# KiCad board rev57lp.kicad_pcb
note: AISLER Project ID: QRZWVFGN
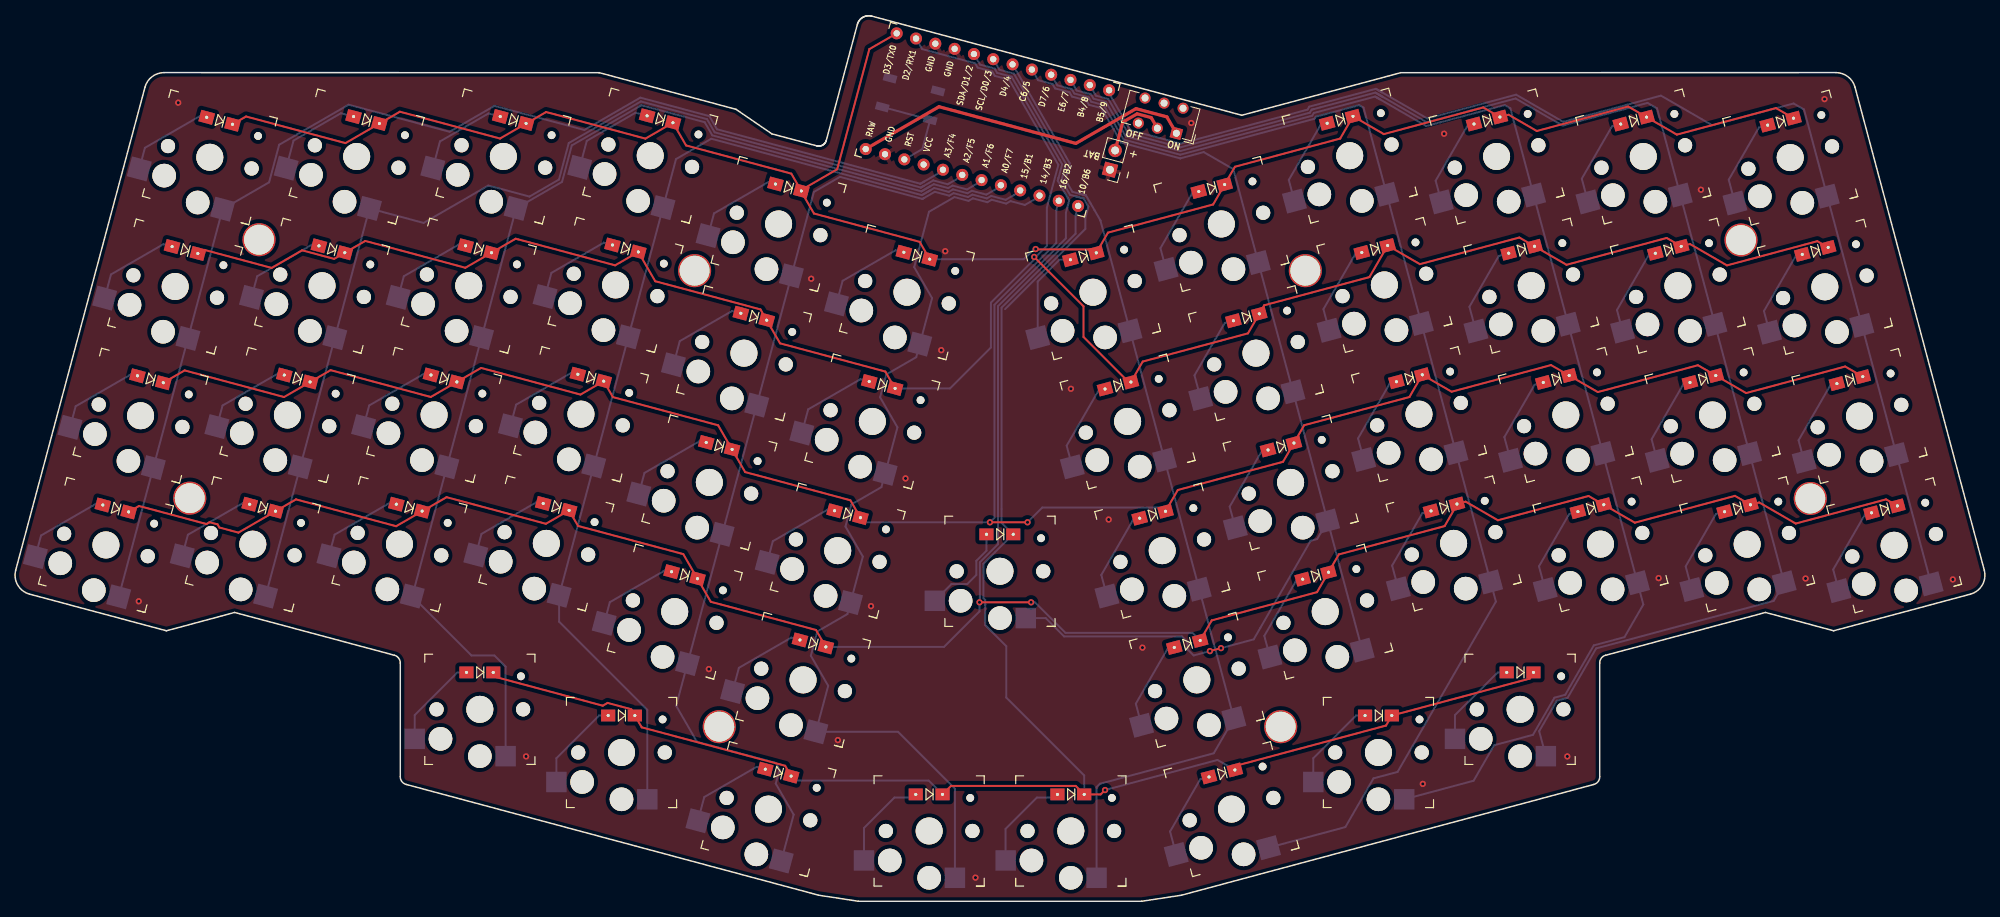
[diagram p0: board, top side]
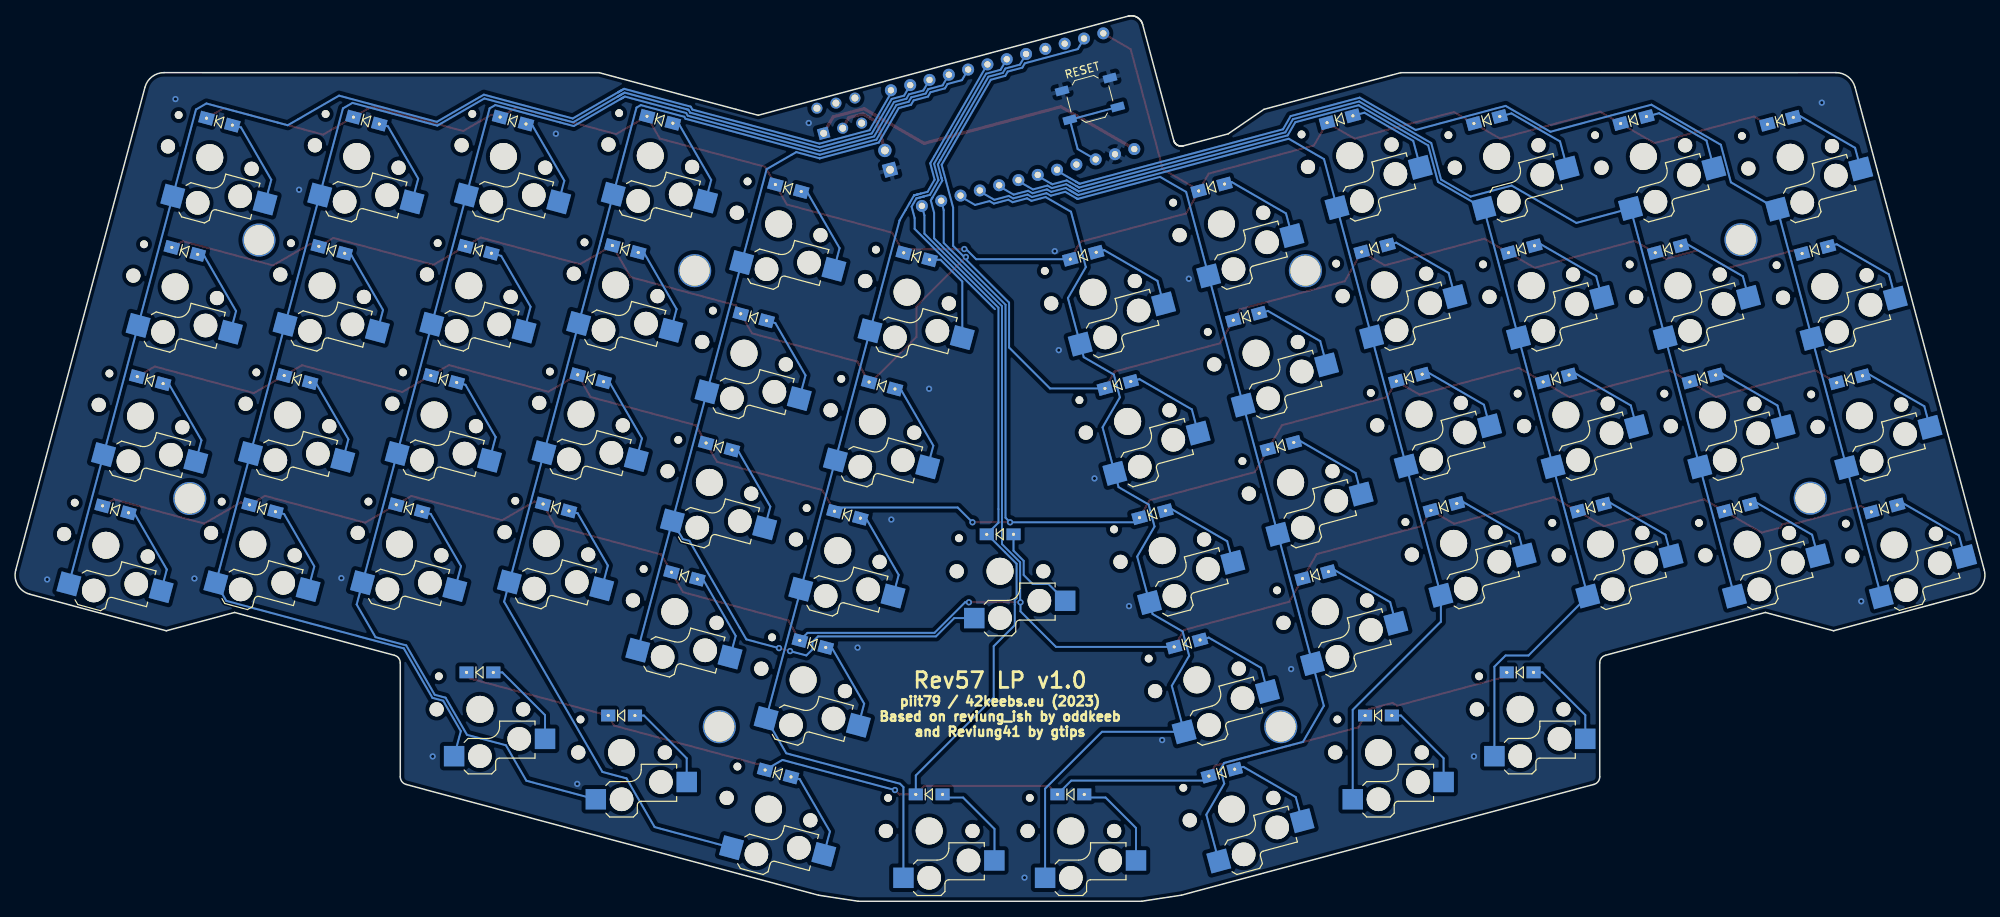
[diagram p1: board, bottom side, seen from below]

Outline 250.12 x 112.52 mm; copper layers: Top, Bottom. Coordinates in mm from the lower left corner of the outline.
Outline path: 0,42.09 16.42,103.44 arc(17.32,104.78) 18.84,105.3 74.13,105.29 91.51,100.63 96.06,97.52 101.77,95.99 101.82,95.98 101.87,95.97 101.92,95.96 101.97,95.96 102.02,95.95 102.06,95.96 102.11,95.96 102.16,95.96 102.21,95.97 102.26,95.98 102.3,95.99 102.35,96.01 102.39,96.03 102.44,96.04 102.48,96.07 102.52,96.09 102.57,96.11 102.61,96.14 102.64,96.17 102.68,96.2 102.72,96.23 102.75,96.27 102.78,96.3 102.81,96.34 102.84,96.38 102.87,96.42 102.9,96.46 102.92,96.51 102.94,96.55 102.96,96.6 102.98,96.65 102.99,96.7 106.93,111.41 106.96,111.49 106.98,111.56 107.01,111.63 107.04,111.7 107.08,111.76 107.11,111.83 107.15,111.89 107.2,111.95 107.24,112 107.29,112.06 107.34,112.11 107.4,112.16 107.45,112.2 107.51,112.25 107.57,112.29 107.63,112.32 107.7,112.36 107.76,112.39 107.83,112.42 107.89,112.44 107.96,112.46 108.03,112.48 108.1,112.5 108.18,112.51 108.25,112.52 108.32,112.52 108.4,112.52 108.47,112.52 108.55,112.52 108.62,112.51 108.7,112.49 108.77,112.47 155.77,99.88 175.99,105.29 231.28,105.3 arc(232.8,104.78) 233.69,103.44 250.12,42.09 arc(249.87,40.19) 248.35,39.02 230.98,34.37 222.31,36.7 202,31.26 arc(201.46,30.9) 201.26,30.29 201.26,15.81 arc(201.05,15.2) 200.52,14.85 148.1,0.77 143.06,0 107.06,0 102.01,0.77 49.6,14.85 arc(49.06,15.2) 48.86,15.81 48.86,30.29 arc(48.65,30.9) 48.12,31.26 27.81,36.7 19.14,34.37 1.77,39.02 arc(0.25,40.19) 0,42.09
Stack: Top 0.035mm / dielectric 1.51mm FR4 er 4.5 / Bottom 0.035mm

## Placement (name value [footprint] x y rotation side)
D_A0  D  [Diode_SOD123_dual_sided]  21.5 82.75 165 bottom
D_A1  D  [Diode_SOD123_dual_sided]  40.16 82.85 165 bottom
D_A2  D  [Diode_SOD123_dual_sided]  58.8 82.85 165 bottom
D_A3  D  [Diode_SOD123_dual_sided]  77.46 82.95 165 bottom
D_A4  D  [Diode_SOD123_dual_sided]  93.77 74.28 165 bottom
D_A5  D  [Diode_SOD123_dual_sided]  110.08 65.6 165 bottom
D_A6  D  [Diode_SOD123_dual_sided]  25.9 99.17 165 bottom
D_A7  D  [Diode_SOD123_dual_sided]  44.56 99.27 165 bottom
D_A8  D  [Diode_SOD123_dual_sided]  63.2 99.27 165 bottom
D_A9  D  [Diode_SOD123_dual_sided]  81.86 99.37 165 bottom
D_A10  D  [Diode_SOD123_dual_sided]  98.17 90.7 165 bottom
D_A11  D  [Diode_SOD123_dual_sided]  114.48 82.03 165 bottom
D_B0  D  [Diode_SOD123_dual_sided]  140.05 65.54 195 bottom
D_B1  D  [Diode_SOD123_dual_sided]  156.36 74.21 195 bottom
D_B2  D  [Diode_SOD123_dual_sided]  172.67 82.88 195 bottom
D_B3  D  [Diode_SOD123_dual_sided]  191.33 82.79 195 bottom
D_B4  D  [Diode_SOD123_dual_sided]  209.97 82.78 195 bottom
D_B5  D  [Diode_SOD123_dual_sided]  228.64 82.64 195 bottom
D_B6  D  [Diode_SOD123_dual_sided]  135.65 81.96 195 bottom
D_B7  D  [Diode_SOD123_dual_sided]  151.96 90.63 195 bottom
D_B8  D  [Diode_SOD123_dual_sided]  168.27 99.3 195 bottom
D_B9  D  [Diode_SOD123_dual_sided]  186.93 99.21 195 bottom
D_B10  D  [Diode_SOD123_dual_sided]  205.57 99.2 195 bottom
D_B11  D  [Diode_SOD123_dual_sided]  224.24 99.06 195 bottom
D_C0  D  [Diode_SOD123_dual_sided]  17.1 66.33 165 bottom
D_C1  D  [Diode_SOD123_dual_sided]  35.76 66.43 165 bottom
D_C2  D  [Diode_SOD123_dual_sided]  54.4 66.43 165 bottom
D_C3  D  [Diode_SOD123_dual_sided]  73.06 66.53 165 bottom
D_C4  D  [Diode_SOD123_dual_sided]  89.37 57.86 165 bottom
D_C5  D  [Diode_SOD123_dual_sided]  105.68 49.18 165 bottom
D_D0  D  [Diode_SOD123_dual_sided]  144.45 49.12 195 bottom
D_D1  D  [Diode_SOD123_dual_sided]  160.76 57.79 195 bottom
D_D2  D  [Diode_SOD123_dual_sided]  177.07 66.46 195 bottom
D_D3  D  [Diode_SOD123_dual_sided]  195.73 66.37 195 bottom
D_D4  D  [Diode_SOD123_dual_sided]  214.37 66.36 195 bottom
D_D5  D  [Diode_SOD123_dual_sided]  233.04 66.22 195 bottom
D_E0  D  [Diode_SOD123_dual_sided]  12.7 49.91 165 bottom
D_E1  D  [Diode_SOD123_dual_sided]  31.36 50.01 165 bottom
D_E2  D  [Diode_SOD123_dual_sided]  50 50.01 165 bottom
D_E3  D  [Diode_SOD123_dual_sided]  68.66 50.11 165 bottom
D_E4  D  [Diode_SOD123_dual_sided]  84.97 41.44 165 bottom
D_E5  D  [Diode_SOD123_dual_sided]  101.28 32.76 165 bottom
D_F0  D  [Diode_SOD123_dual_sided]  148.85 32.7 195 bottom
D_F1  D  [Diode_SOD123_dual_sided]  165.16 41.37 195 bottom
D_F2  D  [Diode_SOD123_dual_sided]  181.47 50.04 195 bottom
D_F3  D  [Diode_SOD123_dual_sided]  200.13 49.95 195 bottom
D_F4  D  [Diode_SOD123_dual_sided]  218.77 49.94 195 bottom
D_F5  D  [Diode_SOD123_dual_sided]  237.44 49.8 195 bottom
D_G0  D  [Diode_SOD123_dual_sided]  58.97 29.08 180 bottom
D_G1  D  [Diode_SOD123_dual_sided]  76.97 23.6 180 bottom
D_G2  D  [Diode_SOD123_dual_sided]  96.88 16.34 165 bottom
D_G3  D  [Diode_SOD123_dual_sided]  116.05 13.58 180 top
D_G4  D  [Diode_SOD123_dual_sided]  134.05 13.58 180 top
D_G5  D  [Diode_SOD123_dual_sided]  125.04 46.63 180 bottom
D_G6  D  [Diode_SOD123_dual_sided]  153.26 16.24 195 bottom
D_G7  D  [Diode_SOD123_dual_sided]  173.14 23.6 180 bottom
D_G8  D  [Diode_SOD123_dual_sided]  191.14 29.08 180 bottom
H1  Hole_Pad  [MountingThroughHole_3.8mm_For_3mm_Standoff]  30.91 84.06 0 top
H2  Hole_Pad  [MountingThroughHole_3.8mm_For_3mm_Standoff]  86.25 80.13 0 top
H3  Hole_Pad  [MountingThroughHole_3.8mm_For_3mm_Standoff]  163.85 80.13 0 top
H4  Hole_Pad  [MountingThroughHole_3.8mm_For_3mm_Standoff]  219.21 84.02 0 top
H5  Hole_Pad  [MountingThroughHole_3.8mm_For_3mm_Standoff]  22.11 51.22 0 top
H6  Hole_Pad  [MountingThroughHole_3.8mm_For_3mm_Standoff]  89.39 22.18 0 top
H7  Hole_Pad  [MountingThroughHole_3.8mm_For_3mm_Standoff]  160.72 22.18 0 top
H8  Hole_Pad  [MountingThroughHole_3.8mm_For_3mm_Standoff]  228.01 51.18 0 top
J1  BAT  [PinHeader_1x02_P2.54mm_Vertical]  139.03 92.96 165 top
LOGO1  42_Keebs_Logo  [42Keebs-icon-10mm-Mask]  125.05 58.03 0 top
SW1  POWER  [SW_CuK_JS202011AQN_DPDT_Angled]  147.46 97.59 165 top
SW2  RESET  [SW_SPST_TL3342]  113.63 101.95 345 bottom
SwA0  SW_Push  [Kailh_socket_PG1350_with_cutouts]  20.26 78.12 345 top
SwA1  SW_Push  [Kailh_socket_PG1350_with_cutouts]  38.92 78.21 345 top
SwA2  SW_Push  [Kailh_socket_PG1350_with_cutouts]  57.56 78.22 345 top
SwA3  SW_Push  [Kailh_socket_PG1350_with_cutouts]  76.22 78.32 345 top
SwA4  SW_Push  [Kailh_socket_PG1350_with_cutouts]  92.53 69.64 345 top
SwA5  SW_Push  [Kailh_socket_PG1350_with_cutouts]  108.84 60.97 345 top
SwA6  SW_Push  [Kailh_socket_PG1350_with_cutouts]  24.66 94.54 345 top
SwA7  SW_Push  [Kailh_socket_PG1350_with_cutouts]  43.32 94.64 345 top
SwA8  SW_Push  [Kailh_socket_PG1350_with_cutouts]  61.96 94.64 345 top
SwA9  SW_Push  [Kailh_socket_PG1350_with_cutouts]  80.62 94.74 345 top
SwA10  SW_Push  [Kailh_socket_PG1350_with_cutouts]  96.93 86.07 345 top
SwA11  SW_Push  [Kailh_socket_PG1350_with_cutouts]  113.24 77.39 345 top
SwB0  SW_Push  [Kailh_socket_PG1350_with_cutouts]  141.27 60.97 15 top
SwB1  SW_Push  [Kailh_socket_PG1350_with_cutouts]  157.58 69.64 15 top
SwB2  SW_Push  [Kailh_socket_PG1350_with_cutouts]  173.89 78.32 15 top
SwB3  SW_Push  [Kailh_socket_PG1350_with_cutouts]  192.55 78.22 15 top
SwB4  SW_Push  [Kailh_socket_PG1350_with_cutouts]  211.19 78.21 15 top
SwB5  SW_Push  [Kailh_socket_PG1350_with_cutouts]  229.86 78.08 15 top
SwB6  SW_Push  [Kailh_socket_PG1350_with_cutouts]  136.87 77.39 15 top
SwB7  SW_Push  [Kailh_socket_PG1350_with_cutouts]  153.18 86.07 15 top
SwB8  SW_Push  [Kailh_socket_PG1350_with_cutouts]  169.49 94.74 15 top
SwB9  SW_Push  [Kailh_socket_PG1350_with_cutouts]  188.15 94.64 15 top
SwB10  SW_Push  [Kailh_socket_PG1350_with_cutouts]  206.79 94.64 15 top
SwB11  SW_Push  [Kailh_socket_PG1350_with_cutouts]  225.46 94.5 15 top
SwC0  SW_Push  [Kailh_socket_PG1350_with_cutouts]  15.86 61.7 345 top
SwC1  SW_Push  [Kailh_socket_PG1350_with_cutouts]  34.52 61.79 345 top
SwC2  SW_Push  [Kailh_socket_PG1350_with_cutouts]  53.16 61.8 345 top
SwC3  SW_Push  [Kailh_socket_PG1350_with_cutouts]  71.82 61.9 345 top
SwC4  SW_Push  [Kailh_socket_PG1350_with_cutouts]  88.13 53.22 345 top
SwC5  SW_Push  [Kailh_socket_PG1350_with_cutouts]  104.44 44.55 345 top
SwD0  SW_Push  [Kailh_socket_PG1350_with_cutouts]  145.67 44.55 15 top
SwD1  SW_Push  [Kailh_socket_PG1350_with_cutouts]  161.98 53.22 15 top
SwD2  SW_Push  [Kailh_socket_PG1350_with_cutouts]  178.29 61.9 15 top
SwD3  SW_Push  [Kailh_socket_PG1350_with_cutouts]  196.95 61.8 15 top
SwD4  SW_Push  [Kailh_socket_PG1350_with_cutouts]  215.59 61.79 15 top
SwD5  SW_Push  [Kailh_socket_PG1350_with_cutouts]  234.26 61.66 15 top
SwE0  SW_Push  [Kailh_socket_PG1350_with_cutouts]  11.46 45.28 345 top
SwE1  SW_Push  [Kailh_socket_PG1350_with_cutouts]  30.12 45.37 345 top
SwE2  SW_Push  [Kailh_socket_PG1350_with_cutouts]  48.76 45.38 345 top
SwE3  SW_Push  [Kailh_socket_PG1350_with_cutouts]  67.42 45.48 345 top
SwE4  SW_Push  [Kailh_socket_PG1350_with_cutouts]  83.73 36.8 345 top
SwE5  SW_Push  [Kailh_socket_PG1350_with_cutouts]  100.04 28.13 345 top
SwF0  SW_Push  [Kailh_socket_PG1350_with_cutouts]  150.07 28.13 15 top
SwF1  SW_Push  [Kailh_socket_PG1350_with_cutouts]  166.38 36.8 15 top
SwF2  SW_Push  [Kailh_socket_PG1350_with_cutouts]  182.69 45.48 15 top
SwF3  SW_Push  [Kailh_socket_PG1350_with_cutouts]  201.35 45.38 15 top
SwF4  SW_Push  [Kailh_socket_PG1350_with_cutouts]  219.99 45.37 15 top
SwF5  SW_Push  [Kailh_socket_PG1350_with_cutouts]  238.66 45.24 15 top
SwG0  SW_Push  [Kailh_socket_PG1350_with_cutouts]  58.97 24.39 0 top
SwG1  SW_Push  [Kailh_socket_PG1350_with_cutouts]  76.97 18.91 0 top
SwG2  SW_Push  [Kailh_socket_PG1350_with_cutouts]  95.64 11.71 345 top
SwG3  SW_Push  [Kailh_socket_PG1350_with_cutouts]  116.05 8.93 0 top
SwG4  SW_Push  [Kailh_socket_PG1350_with_cutouts]  134.05 8.93 0 top
SwG5  SW_Push  [Kailh_socket_PG1350_with_cutouts]  125.05 41.93 0 top
SwG6  SW_Push  [Kailh_socket_PG1350_with_cutouts]  154.47 11.71 15 top
SwG7  SW_Push  [Kailh_socket_PG1350_with_cutouts]  173.14 18.91 0 top
SwG8  SW_Push  [Kailh_socket_PG1350_with_cutouts]  191.14 24.39 0 top
U1  ProMicro  [ProMicro-USB-C]  123.95 99.19 75 top

## Footprints (pads in the part's own frame, mm; a bottom-side part is the same pattern mirrored in y, then rotated)
Diode_SOD123_dual_sided
  rect 1.8x1.5 hole 0.4: 1(-1.7,0) 2(1.7,0)
Kailh_socket_PG1350_with_cutouts
  round 1.8 hole 1.8 unplated: (-5.5,0) (5.5,0)
  round 3 hole 3 unplated: (-5,-3.75) (0,-5.95)
  round 3.429 hole 3.429 unplated: (0,0)
  round 0.991 hole 0.991 unplated: (5.22,4.2)
  rect 2.6x2.6 smd far side: 1(3.275,-5.95) 2(-8.275,-3.75)
MountingThroughHole_3.8mm_For_3mm_Standoff
  round 4.2 hole 3.8: 1(0,0)
PinHeader_1x02_P2.54mm_Vertical
  rect 1.7x1.7 hole 1: 1(0,0)
  oval 1.7x1.7 hole 1: 2(0,-2.54)
ProMicro-USB-C
  round 1.524 hole 0.813: 1(7.611,14.478) 2(7.611,11.938) 3(7.611,9.398) 4(7.611,6.858) 5(7.611,4.318) 6(7.611,1.778) 7(7.611,-0.762) 8(7.611,-3.302) 9(7.611,-5.842) 10(7.611,-8.382) 11(7.611,-10.922) 12(7.611,-13.462) 13(-7.609,-13.462) 14(-7.609,-10.922) 15(-7.609,-8.382) 16(-7.609,-5.842) 17(-7.609,-3.302) 18(-7.609,-0.762) 19(-7.609,1.778) 20(-7.609,4.318) 21(-7.609,6.858) 22(-7.609,9.398) 23(-7.609,11.938) 24(-7.609,14.478)
SW_CuK_JS202011AQN_DPDT_Angled
  rect 1.4x1.4 hole 0.9: 1(0,0)
  round 1.4 hole 0.9: 2(2.5,0) 3(5,0) 4(0,-3.3) 5(2.5,-3.3) 6(5,-3.3)
SW_SPST_TL3342
  rect 1.7x1 smd: 1(-3.15,1.9) 1(3.15,1.9) 2(-3.15,-1.9) 2(3.15,-1.9)

## Nets
GND: J1.1 SW2.2 U1.3 U1.4 U1.23
BAT: J1.2 SW1.2
col0: SwA0.1 SwA6.1 SwC0.1 SwE0.1 U1.20
col1: SwA1.1 SwA7.1 SwC1.1 SwE1.1 U1.19
col2: SwA2.1 SwA8.1 SwC2.1 SwE2.1 SwG0.1 U1.18
col3: SwA3.1 SwA9.1 SwC3.1 SwE3.1 SwG1.1 U1.17
col4: SwA4.1 SwA10.1 SwC4.1 SwE4.1 SwG2.1 U1.16
col5: SwA5.1 SwA11.1 SwC5.1 SwE5.1 SwG3.1 U1.15
col6: SwB0.1 SwB6.1 SwD0.1 SwF0.1 SwG4.1 U1.7
col7: SwB1.1 SwB7.1 SwD1.1 SwF1.1 SwG5.1 U1.8
col8: SwB2.1 SwB8.1 SwD2.1 SwF2.1 SwG6.1 U1.9
col9: SwB3.1 SwB9.1 SwD3.1 SwF3.1 SwG7.1 U1.10
col10: SwB4.1 SwB10.1 SwD4.1 SwF4.1 SwG8.1 U1.11
col11: SwB5.1 SwB11.1 SwD5.1 SwF5.1 U1.12
RAW: SW1.1 U1.24
RGB: U1.6
row0: D_A6.1 D_A7.1 D_A8.1 D_A9.1 D_A10.1 D_A11.1 D_B6.1 D_B7.1 D_B8.1 D_B9.1 D_B10.1 D_B11.1 U1.1
row1: D_A0.1 D_A1.1 D_A2.1 D_A3.1 D_A4.1 D_A5.1 D_B0.1 D_B1.1 D_B2.1 D_B3.1 D_B4.1 D_B5.1 U1.2
row2: D_C0.1 D_C1.1 D_C2.1 D_C3.1 D_C4.1 D_C5.1 D_D0.1 D_D1.1 D_D2.1 D_D3.1 D_D4.1 D_D5.1 U1.14
row3: D_E0.1 D_E1.1 D_E2.1 D_E3.1 D_E4.1 D_E5.1 D_F0.1 D_F1.1 D_F2.1 D_F3.1 D_F4.1 D_F5.1 U1.5
row4: D_G0.1 D_G1.1 D_G2.1 D_G3.1 D_G4.1 D_G5.1 D_G6.1 D_G7.1 D_G8.1 U1.13
RST: SW2.1 U1.22
Net-(D_A0-Pad2): D_A0.2 SwA0.2
Net-(D_A1-Pad2): D_A1.2 SwA1.2
Net-(D_A2-Pad2): D_A2.2 SwA2.2
Net-(D_A3-Pad2): D_A3.2 SwA3.2
Net-(D_A4-Pad2): D_A4.2 SwA4.2
Net-(D_A5-Pad2): D_A5.2 SwA5.2
Net-(D_A6-Pad2): D_A6.2 SwA6.2
Net-(D_A7-Pad2): D_A7.2 SwA7.2
Net-(D_A8-Pad2): D_A8.2 SwA8.2
Net-(D_A9-Pad2): D_A9.2 SwA9.2
Net-(D_A10-Pad2): D_A10.2 SwA10.2
Net-(D_A11-Pad2): D_A11.2 SwA11.2
Net-(D_B0-Pad2): D_B0.2 SwB0.2
Net-(D_B1-Pad2): D_B1.2 SwB1.2
Net-(D_B2-Pad2): D_B2.2 SwB2.2
Net-(D_B3-Pad2): D_B3.2 SwB3.2
Net-(D_B4-Pad2): D_B4.2 SwB4.2
Net-(D_B5-Pad2): D_B5.2 SwB5.2
Net-(D_B6-Pad2): D_B6.2 SwB6.2
Net-(D_B7-Pad2): D_B7.2 SwB7.2
Net-(D_B8-Pad2): D_B8.2 SwB8.2
Net-(D_B9-Pad2): D_B9.2 SwB9.2
Net-(D_B10-Pad2): D_B10.2 SwB10.2
Net-(D_B11-Pad2): D_B11.2 SwB11.2
Net-(D_C0-Pad2): D_C0.2 SwC0.2
Net-(D_C1-Pad2): D_C1.2 SwC1.2
Net-(D_C2-Pad2): D_C2.2 SwC2.2
Net-(D_C3-Pad2): D_C3.2 SwC3.2
Net-(D_C4-Pad2): D_C4.2 SwC4.2
Net-(D_C5-Pad2): D_C5.2 SwC5.2
Net-(D_D0-Pad2): D_D0.2 SwD0.2
Net-(D_D1-Pad2): D_D1.2 SwD1.2
Net-(D_D2-Pad2): D_D2.2 SwD2.2
Net-(D_D3-Pad2): D_D3.2 SwD3.2
Net-(D_D4-Pad2): D_D4.2 SwD4.2
Net-(D_D5-Pad2): D_D5.2 SwD5.2
Net-(D_E0-Pad2): D_E0.2 SwE0.2
Net-(D_E1-Pad2): D_E1.2 SwE1.2
Net-(D_E2-Pad2): D_E2.2 SwE2.2
Net-(D_E3-Pad2): D_E3.2 SwE3.2
Net-(D_E4-Pad2): D_E4.2 SwE4.2
Net-(D_E5-Pad2): D_E5.2 SwE5.2
Net-(D_F0-Pad2): D_F0.2 SwF0.2
Net-(D_F1-Pad2): D_F1.2 SwF1.2
Net-(D_F2-Pad2): D_F2.2 SwF2.2
Net-(D_F3-Pad2): D_F3.2 SwF3.2
Net-(D_F4-Pad2): D_F4.2 SwF4.2
Net-(D_F5-Pad2): D_F5.2 SwF5.2
Net-(D_G0-Pad2): D_G0.2 SwG0.2
Net-(D_G1-Pad2): D_G1.2 SwG1.2
Net-(D_G2-Pad2): D_G2.2 SwG2.2
Net-(D_G3-Pad2): D_G3.2 SwG3.2
Net-(D_G4-Pad2): D_G4.2 SwG4.2
Net-(D_G5-Pad2): D_G5.2 SwG5.2
Net-(D_G6-Pad2): D_G6.2 SwG6.2
Net-(D_G7-Pad2): D_G7.2 SwG7.2
Net-(D_G8-Pad2): D_G8.2 SwG8.2

Pads without a net: H1 1; H2 1; H3 1; H4 1; H5 1; H6 1; H7 1; H8 1; SW1 3 4 5 6; U1 21

## Via types
v1: diameter 0.8, hole 0.4, Top to Bottom, 32 vias

## Routing (per net, layer and track width the routed paths; a pad name or vN(x,y) marks a point on that pad's centre or on a via; arc(x,y) is an arc through that point)
GND:
  vias: v1(15.63,38.12) v1(20.65,101.48) v1(64.84,18.41) v1(88.07,29.51) v1(101.07,79.11) v1(104.45,20.48) v1(108.67,37.51) v1(113.05,53.73) v1(117.6,70.03) v1(118.1,82.61) v1(121.94,3.01) v1(134.07,65.12) v1(138.87,48.51) v1(143.15,32.23) v1(149.36,98.9) v1(178.78,14.92) v1(181.49,97.53) v1(197.14,18.41) v1(208.74,41.06) v1(214.11,90.41) v1(227.41,41.01) v1(229.82,101.93) v1(246.12,40.89)
BAT: length 9.2
  Top w0.4: SW1.2 144.27,99.58 142.48,100.06 140.65,99 J1.2
col0: length 153.9
  Bottom w0.25: 114.94,91.17 89.1,98.1 88.13,99.76 79.36,102.12 72.24,98.01 60.82,101.07 55.12,97.78 42.29,101.22 33.47,96.13 32.19,91.36 26.28,87.95 SwA6.1 SwA0.1 SwC0.1 SwE0.1 ; 114.94,91.17 115.43,91.46 ; 114.94,91.17 115.43,91.46 ; 115.43,91.46 117.28,92.53
col1: length 136.1
  Bottom w0.25: SwE1.1 SwC1.1 SwA1.1 SwA7.1 51.82,86.2 60.05,90.95 65.28,89.55 69.02,91.71 70.27,96.35 79.42,101.63 87.84,99.38 88.8,97.71 115,90.69 ; 115,90.69 115.35,90.89 ; 115,90.69 115.35,90.89 ; 115.35,90.89 116.58,91.6 118.42,91.11 119.73,91.87
col2: length 146.5
  Bottom w0.25: SwG0.1 62.24,29.81 60.82,31.23 57.9,31.23 50.38,38.76 SwE2.1 SwC2.1 SwA2.1 SwA8.1 69.41,91.41 70.65,96.05 79.49,101.15 87.54,98.99 88.5,97.32 115.07,90.21 ; 115.07,90.21 116.19,90.86 ; 115.07,90.21 116.19,90.86 ; 116.19,90.86 116.64,91.12 118.48,90.62 119.03,90.94 120.87,90.45 122.19,91.21
col3: length 132.3
  Bottom w0.25: 116.11,90.29 116.7,90.63 118.54,90.14 119.09,90.46 120.93,89.97 121.48,90.29 123.32,89.79 124.64,90.55 ; 116.11,90.29 115.13,89.73 ; 116.11,90.29 115.13,89.73 ; 115.13,89.73 88.37,96.9 83.89,94.31 SwA9.1 SwA3.1 SwC3.1 SwE3.1 69.04,35.53 80.24,24.33 SwG1.1
col4: length 124.5
  Bottom w0.25: 115.19,89.24 115.42,89.37 ; 115.19,89.24 104.72,92.05 101.41,90.14 SwA10.1 SwA4.1 SwC4.1 SwE4.1 83.91,24.84 86.56,20.26 96.58,17.57 97.05,16.76 96.57,14.95 98.84,11.01 SwG2.1 ; 115.19,89.24 115.42,89.37 ; 115.42,89.37 116.77,90.15 118.61,89.66 119.16,89.98 121,89.48 121.55,89.8 123.39,89.31 123.94,89.63 125.78,89.14 127.09,89.9
col5: length 123.8
  Bottom w0.25: 129.55,89.25 128.22,88.48 126.39,88.97 125.84,88.65 124,89.14 123.45,88.83 121.61,89.32 121.06,89 119.26,89.48 116.04,87.62 114.15,80.58 116.43,76.64 SwA11.1 114.42,69.14 110.6,66.94 109.82,64.04 112.03,60.22 SwA5.1 109.99,52.62 106.17,50.42 105.42,47.62 107.63,43.8 SwC5.1 105.67,36.49 101.85,34.29 101.02,31.2 103.23,27.38 SwE5.1 112.1,21.54 119.33,14.31 119.33,2.54
col6: length 122.9
  Bottom w0.25: 135.15,89.91 134.25,90.16 133.37,91.7 133.92,93.77 133.43,94.62 126.67,106.34 U1.7 ; 135.15,89.91 135.61,89.79 ; 135.15,89.91 135.98,89.69 ; 135.61,89.79 135.98,89.69 ; 135.61,89.79 135.98,89.69 ; 135.98,89.69 137.83,86.5 137.82,86.49 SwB6.1 SwB0.1 SwD0.1 SwF0.1 152.22,18.81 137.75,14.93 137.33,14.51 SwG4.1
col7: length 144.1
  Top w0.25: v1(153.14,32.17) v1(151.73,31.79)
  Bottom w0.25: SwD1.1 SwF1.1 ; SwD1.1 165.36,46.03 164.52,45.8 158.14,34.75 157.29,33.28 v1(153.14,32.17) ; SwD1.1 SwB1.1 SwB7.1 154.71,93.02 150.94,95.2 147.97,94.4 147.96,94.4 140.46,96.41 137.93,100.79 136.35,101.21 136.04,101.76 134.21,102.25 133.89,102.8 132.05,103.3 131.73,103.85 129.89,104.34 129.11,105.69 ; v1(151.73,31.79) 149.66,31.24 148.89,32.01 148.89,32.95 148.18,33.66 133.19,33.66 130.87,35.98 SwG5.1
col8: length 155.5
  Bottom w0.25: 131.56,105.04 132.35,103.68 134.18,103.19 134.5,102.64 136.33,102.15 136.65,101.6 138.23,101.17 140.75,96.8 147.96,94.87 165.03,99.44 165.17,99.69 170.69,101.17 171.25,100.85 SwB8.1 175.78,83.91 SwB2.1 SwD2.1 SwF2.1 188.07,38.08 175.57,16.44 172.51,15.62 168.94,9.43 SwG6.1
col9: length 171
  Bottom w0.25: 134.02,104.38 134.8,103.02 136.63,102.53 136.95,101.98 138.52,101.56 141.05,97.18 147.96,95.33 164.73,99.83 164.93,100.17 172.72,102.26 172.99,102.1 ; 172.99,102.1 179.22,98.51 189.18,101.17 189.91,100.75 SwB9.1 SwB3.1 SwD3.1 SwF3.1 206.8,37.71 204.4,33.56 200.5,32.52 196.88,26.24 195.5,25.87 192.78,21.15 187.84,19.83 185.23,15.32 SwG7.1 ; 172.99,102.1 173.3,101.92 172.81,102.2
col10: length 186.1
  Bottom w0.25: 147.96,95.8 164.43,100.21 164.65,100.59 164.96,100.67 ; 164.96,100.67 165.77,100.89 172.75,102.76 173.65,102.24 173.22,102.49 ; 164.96,100.67 164.73,100.61 ; 147.96,95.8 141.35,97.57 138.82,101.95 137.24,102.37 U1.11 ; 172.87,102.69 173.22,102.49 ; 173.22,102.49 179.28,98.99 190.57,102.01 196.55,98.56 207.33,101.45 208.54,100.75 SwB4.1 SwD4.1 SwF4.1 223.37,38.18 200.8,32.13 197.17,25.85 195.8,25.48 193.57,21.61 SwG8.1
col11: length 160.7
  Bottom w0.25: SwF5.1 SwD5.1 SwB5.1 SwB11.1 227.21,100.61 225.89,101.38 216.82,98.95 215.56,98.61 214.21,99.38 209.04,102.37 196.61,99.04 190.63,102.49 179.34,99.47 173.14,103.05 ; 173.14,103.05 173.57,102.8 172.82,103.24 164.35,100.97 164.14,100.6 147.99,96.27 141.63,97.98 138.85,102.79 U1.12 ; 173.14,103.05 172.94,103.17
RAW: length 44
  Top w0.4: U1.24 117.31,100.96 134.69,96.3 142.34,100.72 146.26,99.67 SW1.1
RGB: length 42.3
  Bottom w0.25: 134.71,89.57 135.69,89.31 ; 134.71,89.57 133.96,89.77 132.88,91.63 133.44,93.71 126.83,105.16 124.99,105.65 124.2,107.01 ; 134.71,89.57 135.69,89.31 ; 135.69,89.31 136.29,88.27 135.9,86.83 135.9,85.44 125.7,75.24
row0: length 245.5
  Top w0.25: v1(129.59,82.88) 129.64,82.83 136.85,82.83 D_B6.1 138.77,84.96 152.14,88.54 154.91,93.33 168.28,96.92 D_B8.1 169.91,99.74 173.82,97.48 186.45,100.87 D_B9.1 189.68,99.95 193.26,97.88 204.87,100.99 D_B10.1 211.06,97.42 223.65,100.79 D_B11.1 ; 100.34,90.69 104.37,93.01 108.46,108.28 U1.1 ; D_A11.1 114.85,83.79 101.42,87.39 99.8,90.2 D_A10.1 98.54,92.46 85.17,96.04 D_A9.1 80,96.91 67.39,100.29 64.86,98.83 D_A8.1 61.53,96.92 48.8,100.33 D_A7.1 41.89,96.34 29.26,99.72 D_A6.1
  Bottom w0.25: v1(129.59,82.88) 129.38,82.88 128.09,81.59 D_A11.1
row1: length 287.1
  Top w0.25: D_B5.1 228.9,83.88 217.42,80.8 212.72,83.52 D_B4.1 209.76,84.29 197.04,80.88 D_B3.1 191.04,84.34 178.41,80.96 D_B2.1 172,79.32 158.63,75.73 D_B1.1 156.56,72.16 143.19,68.58 D_B0.1 141.4,65.98 135.67,71.71 135.67,75.61 v1(129.4,81.87) ; D_A5.1 110.49,67.31 97.11,70.9 94.62,75.2 81.25,78.79 D_A3.1 76.15,80.81 63.83,84.11 63.52,84.19 D_A2.1 57.13,80.5 44.4,83.91 D_A1.1 40.45,81.63 36.39,82.72 32.51,80.48 23.94,82.77 D_A0.1
  Bottom w0.25: D_A5.1 118.7,65.16 123.9,70.37 123.9,76.07 129.4,81.57 v1(129.4,81.87) 129.61,81.87 131.01,83.28 131.01,88.13 132.47,93.58 126.23,104.39 124.39,104.88 124.07,105.43 122.22,105.93 121.91,106.48 115.17,108.28 114.39,109.64
row2: length 283.4
  Top w0.25: D_D5.1 232.45,67.95 219.86,64.58 D_D4.1 213.73,68.11 201.01,64.7 D_D3.1 195.07,68.13 182.44,64.75 D_D2.1 177.08,64.08 163.71,60.49 161.02,55.85 147.65,52.26 D_D0.1 ; D_C5.1 106.05,50.95 92.68,54.54 89.24,60.48 75.87,64.06 D_C3.1 71.75,64.39 59.12,67.77 D_C2.1 52.73,64.08 40,67.49 D_C1.1 34.09,64.07 21.46,67.46 D_C0.1 ; v1(128.55,48.16) 128.55,48.15 v1(123.78,48.15)
  Bottom w0.25: U1.14 132.21,87.82 132.21,83.65 124.35,75.8 124.35,48.73 v1(123.78,48.15) 107.92,48.15 D_C5.1 ; D_D0.1 145.61,50.03 130.43,50.03 v1(128.55,48.16)
row3: length 332.1
  Top w0.25: D_E0.1 15.66,50.23 24.23,47.93 24.63,48.16 25.65,47.89 25.88,47.49 28.29,46.84 35.6,51.07 48.33,47.66 D_E2.1 51.66,49.57 54.74,51.35 67.35,47.97 D_E3.1 71.44,47.69 84.82,44.11 88.31,38.05 101.69,34.47 D_E5.1 ; D_F0.1 151.97,35.7 165.34,39.28 168.11,44.07 181.55,47.67 183.13,50.41 D_F2.1 184.22,50.78 188.32,48.41 199.84,51.5 D_F3.1 205.72,48.11 218.44,51.52 D_F4.1 221.52,50.68 226.16,48 237.64,51.07 D_F5.1 ; v1(129.01,37.99) v1(122.46,37.99)
  Bottom w0.25: 133.74,89.25 133.64,89.41 ; 133.64,89.41 133.85,89.05 133.43,87.48 133.43,84.24 132.69,83.5 124.8,75.61 124.8,45.38 122.5,43.07 122.5,38.03 v1(122.46,37.99) 122.46,36.84 117.94,32.32 D_E5.1 ; 133.64,89.41 132.4,91.57 ; v1(129.01,37.99) 129.5,37.99 133.38,34.11 149.52,34.11 D_F0.1 ; 132.4,91.57 132.5,91.93 ; 132.4,91.57 132.5,91.93 ; 132.5,91.93 132.96,93.64 132.63,94.21 132.63,94.21 126.53,104.77 124.69,105.27 124.37,105.82 122.52,106.31 121.75,107.66
row4: length 227.9
  Top w0.25: D_G8.1 192.39,28.3 D_G7.1 174.11,22.33 155.24,17.27 D_G6.1 ; D_G0.1 61.01,28.49 74.58,24.85 75.2,25.2 78.21,24.4 D_G1.1 79.53,22.1 97.76,17.22 D_G2.1 ; D_G3.1 118.83,14.66 134.68,14.66 D_G4.1 137.85,13.58 v1(138.4,14.13)
  Bottom w0.25: D_G3.1 116,15.33 99.09,15.33 D_G2.1 ; D_G6.1 152.69,17.96 v1(138.4,14.13) ; D_G4.1 135.75,15.98 125.85,25.88 125.85,32.41 123.18,35.09 123.18,37.69 123.18,37.69 123.18,38.29 122.95,38.52 122.95,42.89 126.69,46.63 D_G5.1 125.25,48.11 125.25,75.43 134.66,84.84 134.66,87.16 U1.13
RST: length 12.8
  Bottom w0.25: SW2.1 SW2.1 115.19,95.58 112.9,94.26
Net-(D_A0-Pad2): length 11.9
  Bottom w0.25: D_A0.2 18.75,83.49 12.1,79.65 SwA0.2
Net-(D_A1-Pad2): length 11.7
  Bottom w0.25: D_A1.2 37.74,83.5 30.67,79.42 SwA1.2
Net-(D_A2-Pad2): length 11.7
  Bottom w0.25: D_A2.2 56.38,83.5 49.31,79.42 SwA2.2
Net-(D_A3-Pad2): length 11.9
  Bottom w0.25: D_A3.2 74.71,83.69 68.06,79.85 SwA3.2
Net-(D_A4-Pad2): length 11.9
  Bottom w0.25: SwA4.2 84.37,71.18 91.02,75.02 D_A4.2
Net-(D_A5-Pad2): length 11.9
  Bottom w0.25: D_A5.2 107.33,66.34 100.68,62.5 SwA5.2
Net-(D_A6-Pad2): length 11.7
  Bottom w0.25: SwA6.2 16.41,95.74 23.48,99.82 D_A6.2
Net-(D_A7-Pad2): length 12.2
  Bottom w0.25: D_A7.2 41.31,100.14 35.3,96.66 SwA7.2
Net-(D_A8-Pad2): length 12.2
  Bottom w0.25: D_A8.2 60.07,100.11 53.9,96.55 SwA8.2
Net-(D_A9-Pad2): length 12.2
  Bottom w0.25: SwA9.2 72.56,96.63 78.75,100.21 D_A9.2
Net-(D_A10-Pad2): length 11.8
  Bottom w0.25: D_A10.2 95.61,91.39 88.72,87.41 SwA10.2
Net-(D_A11-Pad2): length 11.9
  Bottom w0.25: D_A11.2 111.82,82.74 105.06,78.84 SwA11.2
Net-(D_B0-Pad2): length 11.7
  Bottom w0.25: SwB0.2 133.53,57.89 137.56,64.87 D_B0.2
Net-(D_B1-Pad2): length 11.9
  Bottom w0.25: D_B1.2 153.6,73.47 149.77,66.83 SwB1.2
Net-(D_B2-Pad2): length 11.7
  Bottom w0.25: D_B2.2 170.18,82.22 166.15,75.24 SwB2.2
Net-(D_B3-Pad2): length 12
  Bottom w0.25: D_B3.2 188.43,82.01 184.7,75.55 SwB3.2
Net-(D_B4-Pad2): length 11.7
  Bottom w0.25: 203.45,75.13 207.48,82.11 D_B4.2 ; 204.18,72.41 203.46,75.09
Net-(D_B5-Pad2): length 11.7
  Bottom w0.25: SwB5.2 222.12,75 226.15,81.98 D_B5.2
Net-(D_B6-Pad2): length 12.4
  Bottom w0.25: D_B6.2 132.62,81.52 129.85,78.75 SwB6.2
Net-(D_B7-Pad2): length 11.7
  Bottom w0.25: SwB7.2 145.44,82.98 149.47,89.96 D_B7.2
Net-(D_B8-Pad2): length 11.7
  Bottom w0.25: SwB8.2 161.75,91.66 165.78,98.64 D_B8.2
Net-(D_B9-Pad2): length 11.7
  Bottom w0.25: SwB9.2 180.41,91.56 184.44,98.54 D_B9.2
Net-(D_B10-Pad2): length 11.9
  Bottom w0.25: D_B10.2 202.81,98.46 198.98,91.82 ; 199.78,88.83 198.99,91.78
Net-(D_B11-Pad2): length 11.9
  Bottom w0.25: SwB11.2 217.65,91.68 221.49,98.33 D_B11.2
Net-(D_C0-Pad2): length 11.7
  Bottom w0.25: D_C0.2 14.68,66.98 7.61,62.9 SwC0.2
Net-(D_C1-Pad2): length 11.7
  Bottom w0.25: SwC1.2 26.27,63 33.34,67.08 D_C1.2
Net-(D_C2-Pad2): length 11.7
  Bottom w0.25: SwC2.2 44.91,63 51.98,67.08 D_C2.2
Net-(D_C3-Pad2): length 11.7
  Bottom w0.25: SwC3.2 63.57,63.1 70.64,67.18 D_C3.2
Net-(D_C4-Pad2): length 11.7
  Bottom w0.25: D_C4.2 86.95,58.51 79.88,54.43 SwC4.2
Net-(D_C5-Pad2): length 11.7
  Bottom w0.25: D_C5.2 103.26,49.83 96.19,45.75 SwC5.2
Net-(D_D0-Pad2): length 11.7
  Bottom w0.25: SwD0.2 137.93,41.47 141.96,48.45 D_D0.2
Net-(D_D1-Pad2): length 11.7
  Bottom w0.25: D_D1.2 158.27,57.12 154.24,50.14 SwD1.2
Net-(D_D2-Pad2): length 11.7
  Bottom w0.25: D_D2.2 174.58,65.8 170.55,58.82 SwD2.2
Net-(D_D3-Pad2): length 11.9
  Bottom w0.25: SwD3.2 189.14,58.98 192.98,65.63 D_D3.2
Net-(D_D4-Pad2): length 11.7
  Bottom w0.25: 208.58,55.99 207.86,58.67 ; D_D4.2 211.88,65.69 207.85,58.71
Net-(D_D5-Pad2): length 11.7
  Bottom w0.25: SwD5.2 226.52,58.58 230.55,65.56 D_D5.2
Net-(D_E0-Pad2): length 11.7
  Bottom w0.25: SwE0.2 3.21,46.48 10.28,50.56 D_E0.2
Net-(D_E1-Pad2): length 11.7
  Bottom w0.25: D_E1.2 28.94,50.66 21.87,46.58 SwE1.2
Net-(D_E2-Pad2): length 11.7
  Bottom w0.25: SwE2.2 40.51,46.58 47.58,50.66 D_E2.2
Net-(D_E3-Pad2): length 11.7
  Bottom w0.25: SwE3.2 59.17,46.68 66.24,50.76 D_E3.2
Net-(D_E4-Pad2): length 11.7
  Bottom w0.25: D_E4.2 82.55,42.09 75.48,38.01 SwE4.2
Net-(D_E5-Pad2): length 11.9
  Bottom w0.25: SwE5.2 91.88,29.66 98.53,33.5 D_E5.2
Net-(D_F0-Pad2): length 11.7
  Bottom w0.25: SwF0.2 142.31,25.1 146.31,32.01 D_F0.2
Net-(D_F1-Pad2): length 11.7
  Bottom w0.25: SwF1.2 158.64,33.72 162.67,40.7 D_F1.2
Net-(D_F2-Pad2): length 11.9
  Bottom w0.25: SwF2.2 174.88,42.66 178.72,49.3 D_F2.2
Net-(D_F3-Pad2): length 11.9
  Bottom w0.25: D_F3.2 197.38,49.21 193.54,42.56 SwF3.2
Net-(D_F4-Pad2): length 11.9
  Bottom w0.25: D_F4.2 216.01,49.2 212.18,42.56 ; 212.98,39.57 212.19,42.52
Net-(D_F5-Pad2): length 11.7
  Bottom w0.25: SwF5.2 230.92,42.15 234.95,49.13 D_F5.2
Net-(D_G0-Pad2): length 11.8
  Bottom w0.25: SwG0.2 50.69,23.66 56.12,29.08 D_G0.2
Net-(D_G1-Pad2): length 11.8
  Bottom w0.25: SwG1.2 68.69,18.18 74.12,23.6 D_G1.2
Net-(D_G2-Pad2): length 11.9
  Bottom w0.25: D_G2.2 94.13,17.08 87.48,13.24 SwG2.2
Net-(D_G3-Pad2): length 12.8
  Bottom w0.25: 107.78,4.74 107.78,9.32 111.64,13.18 114.35,13.18
Net-(D_G4-Pad2): length 12.7
  Bottom w0.25: 132.34,13.18 129.74,13.18 125.76,9.19 125.76,4.73
Net-(D_G5-Pad2): length 12.3
  Bottom w0.25: 116.76,38.18 118.89,40.31 120.9,40.31 122.05,41.46 122.05,43.26 123.34,44.55 D_G5.2
Net-(D_G6-Pad2): length 11.8
  Bottom w0.25: D_G6.2 150.5,15.51 146.67,8.86 SwG6.2
Net-(D_G7-Pad2): length 11.8
  Bottom w0.25: SwG7.2 164.87,18.18 170.29,23.6 D_G7.2
Net-(D_G8-Pad2): length 11.8
  Bottom w0.25: D_G8.2 188.29,29.08 182.87,23.66 SwG8.2

## Copper pours and planes (outline as drawn; the poured copper is in the pictures)
GND on Top, Bottom: 251.54,-1.89 -1.19,-1.89 -1.19,114.36 251.54,114.36

## Text on the board
B.Silkscreen: piit79 / 42keebs.eu (2023) / Based on reviung_ish by oddkeeb / and Reviung41 by gtips | Rev57 LP v1.0
F.Mask: DON'T PANIC
F.Silkscreen: OFF | ON | -  +
